# Allegro board 6089-103-RevA_73.brd (continued)
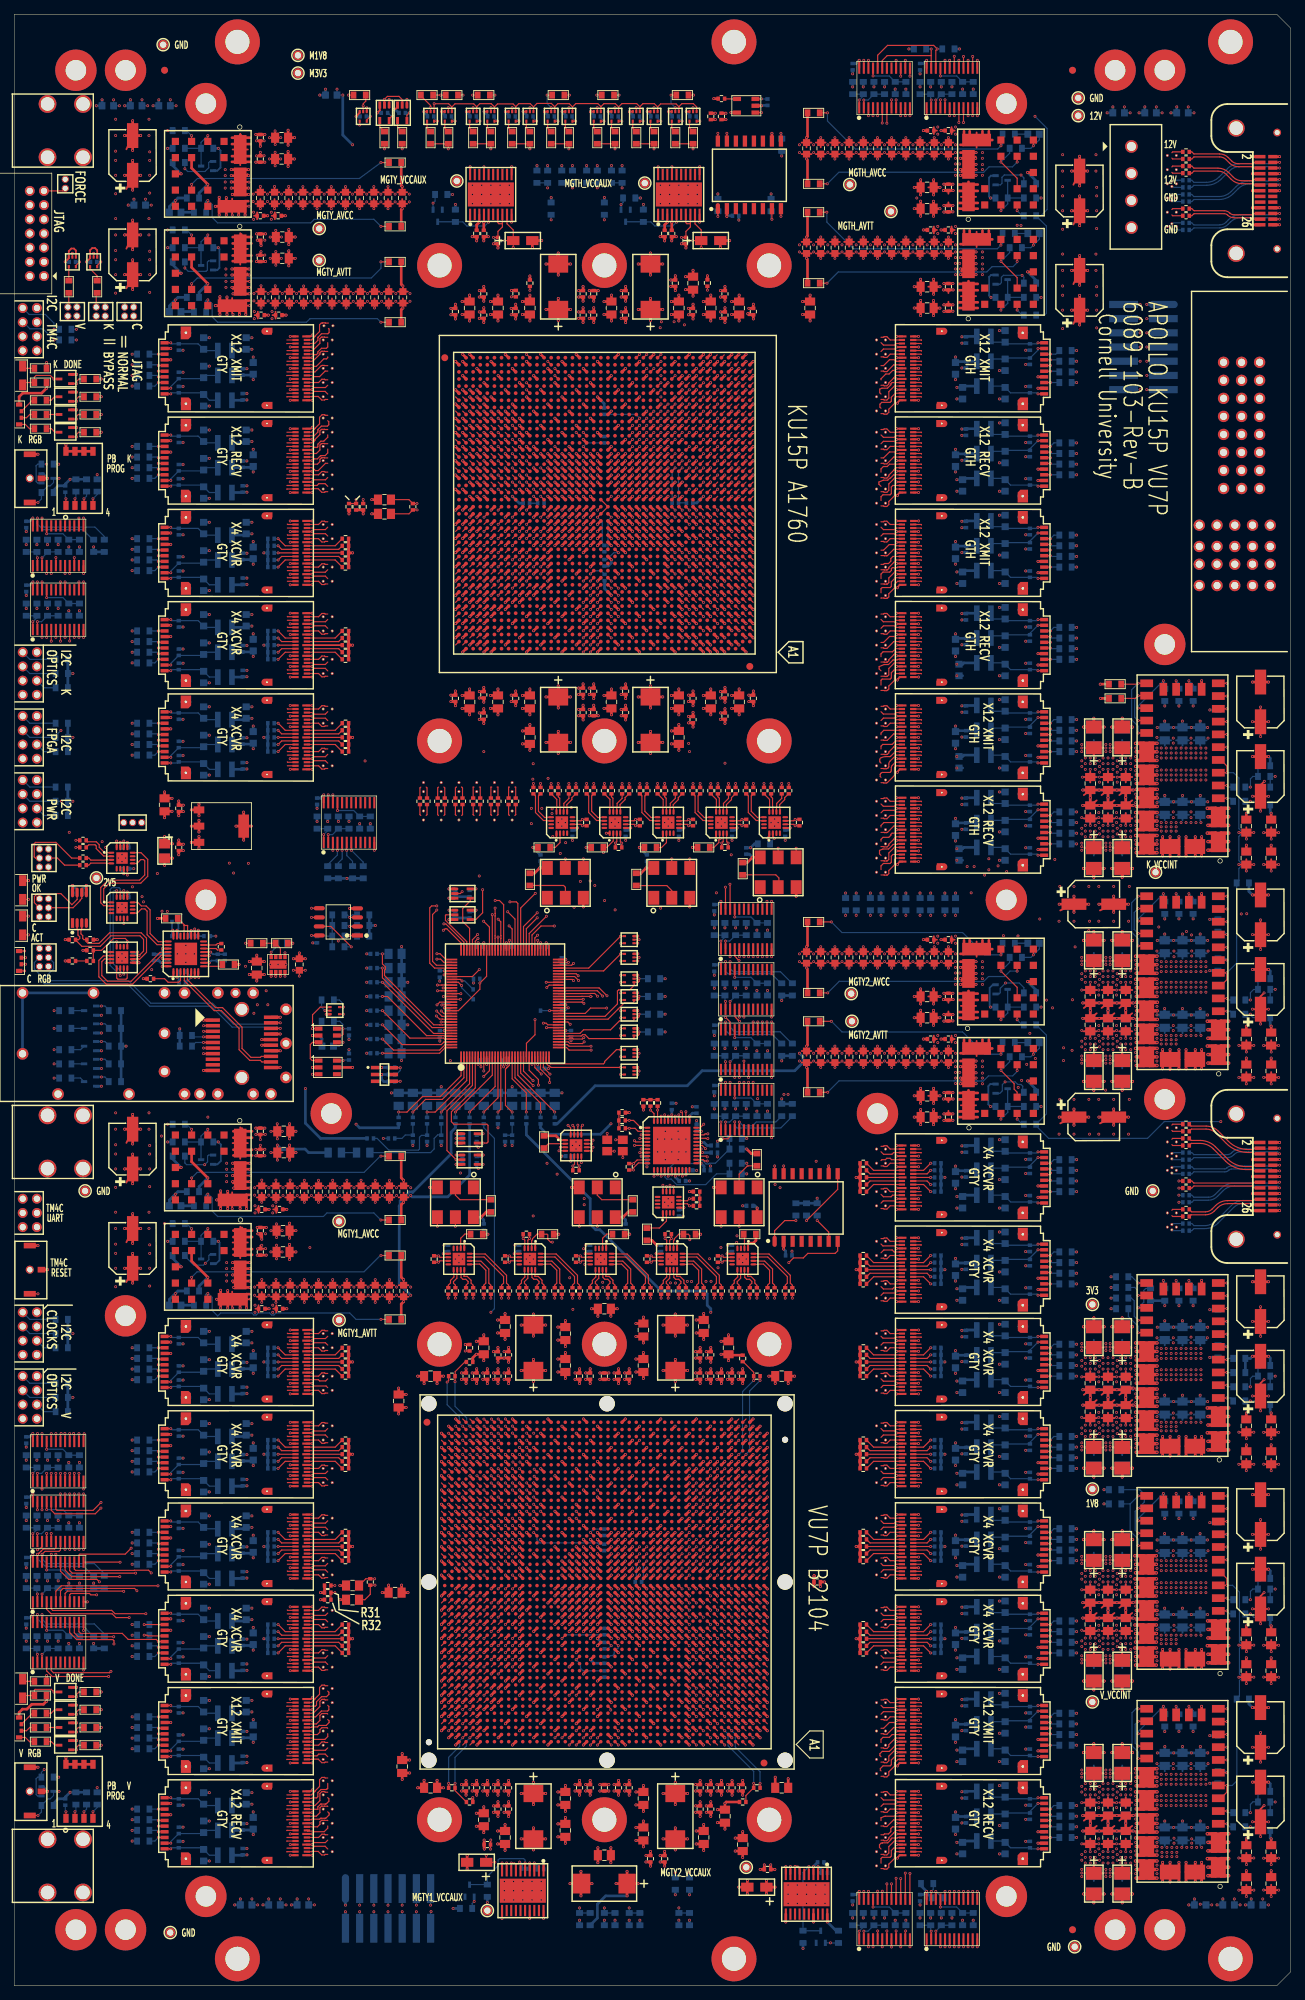
[diagram p0: board, top side]
## Routing (per net, layer and track width the routed paths; a pad name or vN(x,y) marks a point on that pad's centre or on a via; arc(x,y) is an arc through that point) (continued)
; VA82.3 123.22,195.9 ; VA82.3 122.83,195.52 ; VA82.3 123.16,195.58 ; VA82.3 123.02,196.31 ; VA82.3 122.83,196.28 ; VA82.3 123.25,196.09 ; VA82.3 123.16,196.22 ; VA82.3 123.25,195.71 ; 122.83,179.52 VA89.3 ; VA89.3 123.16,179.58 ; VA89.3 123.02,180.31 ; VA89.3 123.22,179.9 ; VA89.3 123.25,179.71 ; VA89.3 122.83,180.28 ; VA89.3 123.25,180.09 ; VA89.3 123.16,180.22 ; VA143.4 162.56,121.28 ; VA143.4 162.15,121.09 ; VA143.4 162.15,120.71 ; VA143.4 162.18,120.9 ; VA143.4 162.24,120.58 ; VA143.4 162.24,121.22 ; VA143.4 162.38,120.49 ; VA143.4 162.56,120.52 ; 121.18,197.9 VA81.4 ; VA81.4 121.56,198.28 ; VA81.4 121.15,198.09 ; VA81.4 121.15,197.71 ; VA81.4 121.24,198.22 ; VA81.4 121.38,197.49 ; VA81.4 121.24,197.58 ; VA81.4 121.56,197.52 ; VA30.3 45.22,72.9 ; VA30.3 44.84,73.28 ; VA30.3 45.16,72.58 ; VA30.3 45.16,73.22 ; VA30.3 45.25,73.09 ; VA30.3 44.84,72.52 ; VA30.3 45.02,73.31 ; VA30.3 45.25,72.71 ; 121.24,92.22 VA109.3 ; VA109.3 121.15,92.09 ; VA109.3 121.56,92.28 ; VA109.3 121.56,91.52 ; VA109.3 121.38,91.49 ; VA109.3 121.18,91.9 ; VA109.3 121.24,91.58 ; VA109.3 121.15,91.71 ; 59.82,164.26 60.2,164.26 ; 60.2,164.26 60.2,163.88 ; 60.2,164.26 60.01,163.85 ; 60.2,164.26 60.52,163.94 ; 60.2,164.26 60.58,164.26 ; 60.2,164.26 59.79,164.08 ; 60.2,164.26 60.61,164.08 ; 60.2,164.26 59.88,163.94 ; 43.38,35.49 43.56,35.9 ; 43.56,35.9 43.15,35.71 ; 43.56,35.9 43.56,36.28 ; 43.56,35.9 43.15,36.09 ; 43.56,35.9 43.18,35.9 ; 43.56,35.9 43.24,36.22 ; 43.56,35.9 43.56,35.52 ; 43.56,35.9 43.24,35.58 ; 121.15,72.71 VA115.4 ; VA115.4 121.15,73.09 ; VA115.4 121.24,73.22 ; VA115.4 121.24,72.58 ; VA115.4 121.18,72.9 ; VA115.4 121.56,73.28 ; VA115.4 121.56,72.52 ; VA115.4 121.38,72.49 ; 121.56,160.52 VA98.4 ; VA98.4 121.38,160.49 ; VA98.4 121.18,160.9 ; VA98.4 121.56,161.28 ; VA98.4 121.15,161.09 ; VA98.4 121.24,161.22 ; VA98.4 121.24,160.58 ; VA98.4 121.15,160.71 ; 43.18,57.9 43.56,57.9 ; 43.56,57.9 43.24,57.58 ; 43.56,57.9 43.24,58.22 ; 43.56,57.9 43.15,57.71 ; 43.56,57.9 43.15,58.09 ; 43.56,57.9 43.38,57.49 ; 43.56,57.9 43.56,57.52 ; 43.56,57.9 43.56,58.28 ; VA6.4 45.02,221.31 ; VA6.4 45.16,221.22 ; VA6.4 45.25,220.71 ; VA6.4 45.22,220.9 ; VA6.4 45.16,220.58 ; VA6.4 44.84,220.52 ; VA6.4 44.84,221.28 ; VA6.4 45.25,221.09 ; VA59.4 65.52,169.86 ; VA59.4 65.58,169.53 ; VA59.4 65.39,169.95 ; VA59.4 64.82,169.53 ; VA59.4 65.2,169.92 ; VA59.4 64.88,169.86 ; VA59.4 64.79,169.72 ; VA59.4 65.61,169.72 ; U108.G1 142.91,171.62 ; U108.G1 141.79,169.97 ; U108.G1 142.19,169.96 ; U108.G1 142.19,171.84 ; U108.G1 141.47,171.62 ; U108.G1 141.25,170.9 ; U108.G1 141.47,170.18 ; U108.G1 142.91,170.18 ; VA24.4 45.02,92.31 ; VA24.4 44.84,92.28 ; VA24.4 45.25,92.09 ; VA24.4 45.16,92.22 ; VA24.4 45.22,91.9 ; VA24.4 45.25,91.71 ; VA24.4 44.84,91.52 ; VA24.4 45.16,91.58 ; 121.15,111.71 VA103.4 ; VA103.4 121.15,112.09 ; VA103.4 121.18,111.9 ; VA103.4 121.56,112.28 ; VA103.4 121.38,111.49 ; VA103.4 121.24,112.22 ; VA103.4 121.56,111.52 ; VA103.4 121.24,111.58 ; VA103.3 123.25,111.71 ; VA103.3 123.25,112.09 ; VA103.3 123.02,112.31 ; VA103.3 123.16,111.58 ; VA103.3 122.83,112.28 ; VA103.3 123.16,112.22 ; VA103.3 123.22,111.9 ; VA103.3 122.83,111.52 ; 43.56,210.52 43.56,210.9 ; 43.56,210.9 43.15,211.09 ; 43.56,210.9 43.38,210.49 ; 43.56,210.9 43.15,210.71 ; 43.56,210.9 43.56,211.28 ; 43.56,210.9 43.24,211.22 ; 43.56,210.9 43.18,210.9 ; 43.56,210.9 43.24,210.58 ; VA72.3 123.25,216.71 ; VA72.3 122.83,217.28 ; VA72.3 122.83,216.52 ; VA72.3 123.22,216.9 ; VA72.3 123.16,217.22 ; VA72.3 123.25,217.09 ; VA72.3 123.02,217.31 ; VA72.3 123.16,216.58 ; 121.15,31.71 VA129.4 ; VA129.4 121.38,31.49 ; VA129.4 121.24,32.22 ; VA129.4 121.18,31.9 ; VA129.4 121.15,32.09 ; VA129.4 121.56,31.52 ; VA129.4 121.56,32.28 ; VA129.4 121.24,31.58 ; 43.56,218.52 43.56,218.9 ; 43.56,218.9 43.24,218.58 ; 43.56,218.9 43.24,219.22 ; 43.56,218.9 43.56,219.28 ; 43.56,218.9 43.15,219.09 ; 43.56,218.9 43.15,218.71 ; 43.56,218.9 43.18,218.9 ; 43.56,218.9 43.38,218.49 ; U107.G2 142.91,193.18 ; U107.G2 142.19,194.84 ; U107.G2 141.25,193.9 ; U107.G2 142.19,192.96 ; U107.G2 142.91,194.62 ; U107.G2 141.47,194.62 ; U107.G2 141.47,193.18 ; U107.G2 141.79,192.97 ; 141.79,117.97 U110.G2 ; U110.G2 142.19,117.96 ; U110.G2 141.25,118.9 ; U110.G2 142.91,118.18 ; U110.G2 141.47,119.62 ; U110.G2 142.19,119.84 ; U110.G2 142.91,119.62 ; U110.G2 141.47,118.18 ; 121.15,228.09 VA67.4 ; VA67.4 121.24,227.58 ; VA67.4 121.38,227.49 ; VA67.4 121.15,227.71 ; VA67.4 121.56,227.52 ; VA67.4 121.24,228.22 ; VA67.4 121.18,227.9 ; VA67.4 121.56,228.28 ; 121.18,65.9 VA117.3 ; VA117.3 121.38,65.49 ; VA117.3 121.15,65.71 ; VA117.3 121.15,66.09 ; VA117.3 121.56,66.28 ; VA117.3 121.24,65.58 ; VA117.3 121.56,65.52 ; VA117.3 121.24,66.22 ; VA48.4 45.25,25.09 ; VA48.4 45.16,24.58 ; VA48.4 45.16,25.22 ; VA48.4 45.02,25.31 ; VA48.4 44.84,25.28 ; VA48.4 45.25,24.71 ; VA48.4 44.84,24.52 ; VA48.4 45.22,24.9 ; 162.18,106.9 VA148.4 ; VA148.4 162.56,106.52 ; VA148.4 162.15,106.71 ; VA148.4 162.24,106.58 ; VA148.4 162.15,107.09 ; VA148.4 162.38,106.49 ; VA148.4 162.56,107.28 ; VA148.4 162.24,107.22 ; VA4.4 44.84,226.28 ; VA4.4 45.16,225.58 ; VA4.4 45.25,226.09 ; VA4.4 45.16,226.22 ; VA4.4 45.22,225.9 ; VA4.4 45.25,225.71 ; VA4.4 45.02,226.31 ; VA4.4 44.84,225.52 ; 6.66,255.07 J12.1 ; J12.1 7.2,255.22 ; J12.1 7.74,254 ; J12.1 7.89,254.53 ; J12.1 7.5,255.23 ; J12.1 6.51,254.53 ; J12.1 6.66,254 ; J12.1 7.74,255.07 ; 43.38,39.49 43.56,39.9 ; 43.56,39.9 43.24,40.22 ; 43.56,39.9 43.56,40.28 ; 43.56,39.9 43.56,39.52 ; 43.56,39.9 43.24,39.58 ; 43.56,39.9 43.18,39.9 ; 43.56,39.9 43.15,39.71 ; 43.56,39.9 43.15,40.09 ; U109.G2 142.91,168.62 ; U109.G2 142.91,167.18 ; U109.G2 141.47,168.62 ; U109.G2 141.25,167.9 ; U109.G2 142.19,168.84 ; U109.G2 142.19,166.96 ; U109.G2 141.79,166.97 ; U109.G2 141.47,167.18 ; VA5.4 44.84,224.28 ; VA5.4 45.16,223.58 ; VA5.4 45.02,224.31 ; VA5.4 45.25,223.71 ; VA5.4 45.22,223.9 ; VA5.4 45.25,224.09 ; VA5.4 45.16,224.22 ; VA5.4 44.84,223.52 ; 43.24,83.58 43.56,83.9 ; 43.56,83.9 43.18,83.9 ; 43.56,83.9 43.56,83.52 ; 43.56,83.9 43.38,83.49 ; 43.56,83.9 43.56,84.28 ; 43.56,83.9 43.15,84.09 ; 43.56,83.9 43.24,84.22 ; 43.56,83.9 43.15,83.71 ; P1.14 173.77,222.93 ; P1.14 173.03,222.69 ; P1.14 172.05,223.67 ; P1.14 173.77,224.41 ; P1.14 173.03,224.65 ; P1.14 172.29,222.93 ; P1.14 174.01,223.67 ; P1.14 172.29,224.41 ; 43.24,225.58 43.56,225.9 ; 43.56,225.9 43.38,225.49 ; 43.56,225.9 43.15,226.09 ; 43.56,225.9 43.56,226.28 ; 43.56,225.9 43.56,225.52 ; 43.56,225.9 43.24,226.22 ; 43.56,225.9 43.15,225.71 ; 43.56,225.9 43.18,225.9 ; 141.79,208.97 U105.G1 ; U105.G1 141.47,210.62 ; U105.G1 142.19,210.84 ; U105.G1 142.91,209.18 ; U105.G1 142.91,210.62 ; U105.G1 142.19,208.96 ; U105.G1 141.47,209.18 ; U105.G1 141.25,209.9 ; 43.15,79.09 43.56,78.9 ; 43.56,78.9 43.56,78.52 ; 43.56,78.9 43.38,78.49 ; 43.56,78.9 43.18,78.9 ; 43.56,78.9 43.15,78.71 ; 43.56,78.9 43.24,79.22 ; 43.56,78.9 43.24,78.58 ; 43.56,78.9 43.56,79.28 ; VA2.4 45.22,229.9 ; VA2.4 44.84,229.52 ; VA2.4 45.16,229.58 ; VA2.4 45.16,230.22 ; VA2.4 45.25,229.71 ; VA2.4 44.84,230.28 ; VA2.4 45.02,230.31 ; VA2.4 45.25,230.09 ; 121.24,196.22 VA82.4 ; VA82.4 121.38,195.49 ; VA82.4 121.15,196.09 ; VA82.4 121.15,195.71 ; VA82.4 121.24,195.58 ; VA82.4 121.18,195.9 ; VA82.4 121.56,196.28 ; VA82.4 121.56,195.52 ; VA99.3 123.25,158.71 ; VA99.3 123.25,159.09 ; VA99.3 123.16,159.22 ; VA99.3 123.22,158.9 ; VA99.3 122.83,158.52 ; VA99.3 123.16,158.58 ; VA99.3 123.02,159.31 ; VA99.3 122.83,159.28 ; 121.15,21.09 VA134.4 ; VA134.4 121.56,20.52 ; VA134.4 121.38,20.49 ; VA134.4 121.15,20.71 ; VA134.4 121.24,21.22 ; VA134.4 121.24,20.58 ; VA134.4 121.56,21.28 ; VA134.4 121.18,20.9 ; J6.5 1.87,106.23 ; J6.5 1.2,107.78 ; J6.5 2.08,106.9 ; J6.5 1.2,106.02 ; J6.5 1.87,107.57 ; J6.5 2.07,106.52 ; J6.5 1.58,107.77 ; J6.5 2.07,107.28 ; 57.38,163.94 57.7,164.26 ; 57.7,164.26 58.08,164.26 ; 57.7,164.26 58.02,163.94 ; 57.7,164.26 58.11,164.08 ; 57.7,164.26 57.29,164.08 ; 57.7,164.26 57.51,163.85 ; 57.7,164.26 57.7,163.88 ; 57.7,164.26 57.32,164.26 ; VA32.4 45.02,66.31 ; VA32.4 44.84,66.28 ; VA32.4 44.84,65.52 ; VA32.4 45.25,65.71 ; VA32.4 45.16,65.58 ; VA32.4 45.25,66.09 ; VA32.4 45.16,66.22 ; VA32.4 45.22,65.9 ; J7.8 3.2,89.78 ; J7.8 2.32,88.9 ; J7.8 4.08,88.9 ; J7.8 2.53,89.57 ; J7.8 3.2,88.02 ; J7.8 3.87,88.23 ; J7.8 2.53,88.23 ; J7.8 3.87,89.57 ; U21.G2 25.15,209.9 ; U21.G2 23.49,209.18 ; U21.G2 24.93,209.18 ; U21.G2 23.49,210.62 ; U21.G2 24.93,210.62 ; U21.G2 23.81,208.97 ; U21.G2 24.21,210.84 ; U21.G2 24.21,208.96 ; 57.29,165.72 VA54.4 ; VA54.4 58.08,165.53 ; VA54.4 57.89,165.95 ; VA54.4 58.02,165.86 ; VA54.4 57.38,165.86 ; VA54.4 57.32,165.53 ; VA54.4 57.7,165.92 ; VA54.4 58.11,165.72 ; 121.18,231.9 VA65.4 ; VA65.4 121.38,231.49 ; VA65.4 121.24,232.22 ; VA65.4 121.15,232.09 ; VA65.4 121.56,232.28 ; VA65.4 121.56,231.52 ; VA65.4 121.24,231.58 ; VA65.4 121.15,231.71 ; U13.31 17.07,125.65 ; U13.31 16.19,126.53 ; U13.31 16.86,124.98 ; U13.31 16.19,124.77 ; U13.31 15.52,126.32 ; U13.31 15.52,124.98 ; U13.31 16.86,126.32 ; U13.31 15.31,125.65 ; 43.15,190.71 43.56,190.9 ; 43.56,190.9 43.18,190.9 ; 43.56,190.9 43.56,190.52 ; 43.56,190.9 43.24,190.58 ; 43.56,190.9 43.15,191.09 ; 43.56,190.9 43.56,191.28 ; 43.56,190.9 43.24,191.22 ; 43.56,190.9 43.38,190.49 ; 43.56,18.9 43.56,19.28 ; 43.56,18.9 43.15,18.71 ; 43.56,18.9 43.24,18.58 ; 43.56,18.9 43.38,18.49 ; 43.56,18.9 43.18,18.9 ; 43.56,18.9 43.24,19.22 ; 43.56,18.9 43.15,19.09 ; 43.56,18.9 43.56,18.52 ; 168.83,203.54 P1.P2-7 ; P1.P2-7 170.31,203.54 ; P1.P2-7 169.57,201.82 ; P1.P2-7 170.31,202.06 ; P1.P2-7 169.57,203.78 ; P1.P2-7 168.83,202.06 ; P1.P2-7 168.59,202.8 ; P1.P2-7 170.55,202.8 ; 121.24,229.58 VA66.4 ; VA66.4 121.24,230.22 ; VA66.4 121.56,230.28 ; VA66.4 121.56,229.52 ; VA66.4 121.18,229.9 ; VA66.4 121.38,229.49 ; VA66.4 121.15,230.09 ; VA66.4 121.15,229.71 ; 43.24,25.22 43.56,24.9 ; 43.56,24.9 43.18,24.9 ; 43.56,24.9 43.38,24.49 ; 43.56,24.9 43.24,24.58 ; 43.56,24.9 43.56,25.28 ; 43.56,24.9 43.15,24.71 ; 43.56,24.9 43.56,24.52 ; 43.56,24.9 43.15,25.09 ; J1.11 4.87,250.23 ; J1.11 4.87,251.57 ; J1.11 3.32,250.9 ; J1.11 4.2,251.78 ; J1.11 4.2,250.02 ; J1.11 5.08,250.9 ; J1.11 3.53,251.57 ; J1.11 3.53,250.23 ; U114.G2 142.91,67.62 ; U114.G2 141.25,66.9 ; U114.G2 141.47,66.18 ; U114.G2 142.19,67.84 ; U114.G2 141.79,65.97 ; U114.G2 142.19,65.96 ; U114.G2 142.91,66.18 ; U114.G2 141.47,67.62 ; 43.56,205.52 43.56,205.9 ; 43.56,205.9 43.15,205.71 ; 43.56,205.9 43.56,206.28 ; 43.56,205.9 43.18,205.9 ; 43.56,205.9 43.15,206.09 ; 43.56,205.9 43.24,206.22 ; 43.56,205.9 43.24,205.58 ; 43.56,205.9 43.38,205.49 ; 121.24,201.58 VA79.4 ; VA79.4 121.56,201.52 ; VA79.4 121.18,201.9 ; VA79.4 121.24,202.22 ; VA79.4 121.15,202.09 ; VA79.4 121.15,201.71 ; VA79.4 121.38,201.49 ; VA79.4 121.56,202.28 ; VA93.3 123.25,171.71 ; VA93.3 123.02,172.31 ; VA93.3 123.22,171.9 ; VA93.3 123.16,171.58 ; VA93.3 123.25,172.09 ; VA93.3 122.83,171.52 ; VA93.3 123.16,172.22 ; VA93.3 122.83,172.28 ; U13.35 11.86,139.23 ; U13.35 11.86,140.57 ; U13.35 10.31,139.9 ; U13.35 11.18,140.78 ; U13.35 12.06,139.9 ; U13.35 10.51,139.23 ; U13.35 11.18,139.02 ; U13.35 10.51,140.57 ; 121.24,29.58 VA130.4 ; VA130.4 121.56,29.52 ; VA130.4 121.15,29.71 ; VA130.4 121.56,30.28 ; VA130.4 121.15,30.09 ; VA130.4 121.24,30.22 ; VA130.4 121.38,29.49 ; VA130.4 121.18,29.9 ; VA19.3 45.16,184.58 ; VA19.3 44.84,184.52 ; VA19.3 44.84,185.28 ; VA19.3 45.16,185.22 ; VA19.3 45.25,184.71 ; VA19.3 45.25,185.09 ; VA19.3 45.02,185.31 ; VA19.3 45.22,184.9 ; 121.24,191.22 VA84.4 ; VA84.4 121.18,190.9 ; VA84.4 121.15,191.09 ; VA84.4 121.38,190.49 ; VA84.4 121.56,190.52 ; VA84.4 121.56,191.28 ; VA84.4 121.24,190.58 ; VA84.4 121.15,190.71 ; VA80.3 123.16,199.58 ; VA80.3 123.02,200.31 ; VA80.3 123.22,199.9 ; VA80.3 123.16,200.22 ; VA80.3 122.83,200.28 ; VA80.3 123.25,199.71 ; VA80.3 123.25,200.09 ; VA80.3 122.83,199.52 ; 43.15,213.09 43.56,212.9 ; 43.56,212.9 43.15,212.71 ; 43.56,212.9 43.18,212.9 ; 43.56,212.9 43.56,213.28 ; 43.56,212.9 43.38,212.49 ; 43.56,212.9 43.24,213.22 ; 43.56,212.9 43.56,212.52 ; 43.56,212.9 43.24,212.58 ; 59.82,168.26 60.2,168.26 ; 60.2,168.26 59.88,167.94 ; 60.2,168.26 60.61,168.08 ; 60.2,168.26 59.79,168.08 ; 60.2,168.26 60.52,167.94 ; 60.2,168.26 60.2,167.88 ; 60.2,168.26 60.58,168.26 ; 60.2,168.26 60.01,167.85 ; VA115.3 123.02,73.31 ; VA115.3 122.83,72.52 ; VA115.3 122.83,73.28 ; VA115.3 123.16,73.22 ; VA115.3 123.22,72.9 ; VA115.3 123.25,73.09 ; VA115.3 123.16,72.58 ; VA115.3 123.25,72.71 ; U114.G1 142.91,57.62 ; U114.G1 141.47,56.18 ; U114.G1 142.91,56.18 ; U114.G1 142.19,55.96 ; U114.G1 141.25,56.9 ; U114.G1 142.19,57.84 ; U114.G1 141.47,57.62 ; U114.G1 141.79,55.97 ; 121.18,33.9 VA128.4 ; VA128.4 121.56,34.28 ; VA128.4 121.24,33.58 ; VA128.4 121.15,33.71 ; VA128.4 121.24,34.22 ; VA128.4 121.15,34.09 ; VA128.4 121.56,33.52 ; VA128.4 121.38,33.49 ; 23.25,126.41 U13.30 ; U13.30 24.01,126.65 ; U13.30 25.02,125.65 ; U13.30 24.77,126.41 ; U13.30 24.77,124.89 ; U13.30 23.25,124.89 ; U13.30 24.01,124.65 ; U13.30 23.01,125.65 ; 121.15,186.71 VA86.4 ; VA86.4 121.15,187.09 ; VA86.4 121.56,187.28 ; VA86.4 121.56,186.52 ; VA86.4 121.38,186.49 ; VA86.4 121.18,186.9 ; VA86.4 121.24,186.58 ; VA86.4 121.24,187.22 ; VA91.3 122.83,176.28 ; VA91.3 123.16,176.22 ; VA91.3 123.25,175.71 ; VA91.3 123.02,176.31 ; VA91.3 123.22,175.9 ; VA91.3 123.25,176.09 ; VA91.3 123.16,175.58 ; VA91.3 122.83,175.52 ; VA131.3 122.83,27.28 ; VA131.3 123.16,27.22 ; VA131.3 123.25,27.09 ; VA131.3 122.83,26.52 ; VA131.3 123.25,26.71 ; VA131.3 123.16,26.58 ; VA131.3 123.22,26.9 ; VA131.3 123.02,27.31 ; J4.8 4.08,172.9 ; J4.8 2.53,172.23 ; J4.8 3.87,173.57 ; J4.8 3.2,173.78 ; J4.8 3.2,172.02 ; J4.8 2.53,173.57 ; J4.8 2.32,172.9 ; J4.8 3.87,172.23 ; VA45.4 45.25,31.71 ; VA45.4 45.16,31.58 ; VA45.4 45.02,32.31 ; VA45.4 44.84,31.52 ; VA45.4 45.25,32.09 ; VA45.4 45.22,31.9 ; VA45.4 45.16,32.22 ; VA45.4 44.84,32.28 ; 121.24,16.58 VA136.4 ; VA136.4 121.24,17.22 ; VA136.4 121.15,16.71 ; VA136.4 121.38,16.49 ; VA136.4 121.56,17.28 ; VA136.4 121.15,17.09 ; VA136.4 121.56,16.52 ; VA136.4 121.18,16.9 ; VA83.3 123.16,193.22 ; VA83.3 122.83,192.52 ; VA83.3 123.25,193.09 ; VA83.3 123.16,192.58 ; VA83.3 123.25,192.71 ; VA83.3 123.02,193.31 ; VA83.3 122.83,193.28 ; VA83.3 123.22,192.9 ; VA133.3 123.25,22.71 ; VA133.3 123.16,22.58 ; VA133.3 123.02,23.31 ; VA133.3 122.83,22.52 ; VA133.3 123.22,22.9 ; VA133.3 123.16,23.22 ; VA133.3 123.25,23.09 ; VA133.3 122.83,23.28 ; 3.53,242.23 J1.3 ; J1.3 5.08,242.9 ; J1.3 4.2,242.02 ; J1.3 3.53,243.57 ; J1.3 4.87,242.23 ; J1.3 3.32,242.9 ; J1.3 4.87,243.57 ; J1.3 4.2,243.78 ; VA107.3 123.25,99.09 ; VA107.3 123.16,98.58 ; VA107.3 123.02,99.31 ; VA107.3 122.83,98.52 ; VA107.3 123.25,98.71 ; VA107.3 123.16,99.22 ; VA107.3 123.22,98.9 ; VA107.3 122.83,99.28 ; 43.15,63.71 43.56,63.9 ; 43.56,63.9 43.56,63.52 ; 43.56,63.9 43.24,64.22 ; 43.56,63.9 43.56,64.28 ; 43.56,63.9 43.15,64.09 ; 43.56,63.9 43.38,63.49 ; 43.56,63.9 43.24,63.58 ; 43.56,63.9 43.18,63.9 ; 43.38,52.49 43.56,52.9 ; 43.56,52.9 43.24,53.22 ; 43.56,52.9 43.24,52.58 ; 43.56,52.9 43.18,52.9 ; 43.56,52.9 43.56,53.28 ; 43.56,52.9 43.56,52.52 ; 43.56,52.9 43.15,53.09 ; 43.56,52.9 43.15,52.71 ; 141.79,156.97 U109.G1 ; U109.G1 142.91,158.62 ; U109.G1 141.47,157.18 ; U109.G1 141.47,158.62 ; U109.G1 141.25,157.9 ; U109.G1 142.19,156.96 ; U109.G1 142.91,157.18 ; U109.G1 142.19,158.84 ; 23.81,81.97 U25.G2 ; U25.G2 24.93,82.18 ; U25.G2 23.49,83.62 ; U25.G2 24.93,83.62 ; U25.G2 25.15,82.9 ; U25.G2 23.49,82.18 ; U25.G2 24.21,83.84 ; U25.G2 24.21,81.96 ; 122.83,37.52 VA126.3 ; VA126.3 122.83,38.28 ; VA126.3 123.02,38.31 ; VA126.3 123.16,38.22 ; VA126.3 123.22,37.9 ; VA126.3 123.25,38.09 ; VA126.3 123.16,37.58 ; VA126.3 123.25,37.71 ; 157.5,247.74 158.57,247.74 ; 157.5,247.74 158.31,248.54 ; 157.5,247.74 156.69,246.93 ; 157.5,247.74 157.5,246.67 ; 157.5,247.74 156.43,247.74 ; 157.5,247.74 157.5,248.8 ; 157.5,247.74 156.69,248.54 ; 157.5,247.74 158.31,246.93